# Altium PCB BaseBoard.PcbDoc (part 1 of 2)
Units mil, origin at the board's own origin, x right, y up, seen from the top; angles counter-clockwise.
Board outline 3469.66 x 2455.94 mil, 2 copper layers (Top Layer, Bottom Layer), stack 62.992 mil thick; 120 components, 101 nets, 403 pads, 235 vias.
Unrouted connection lines stored in the file: 1.
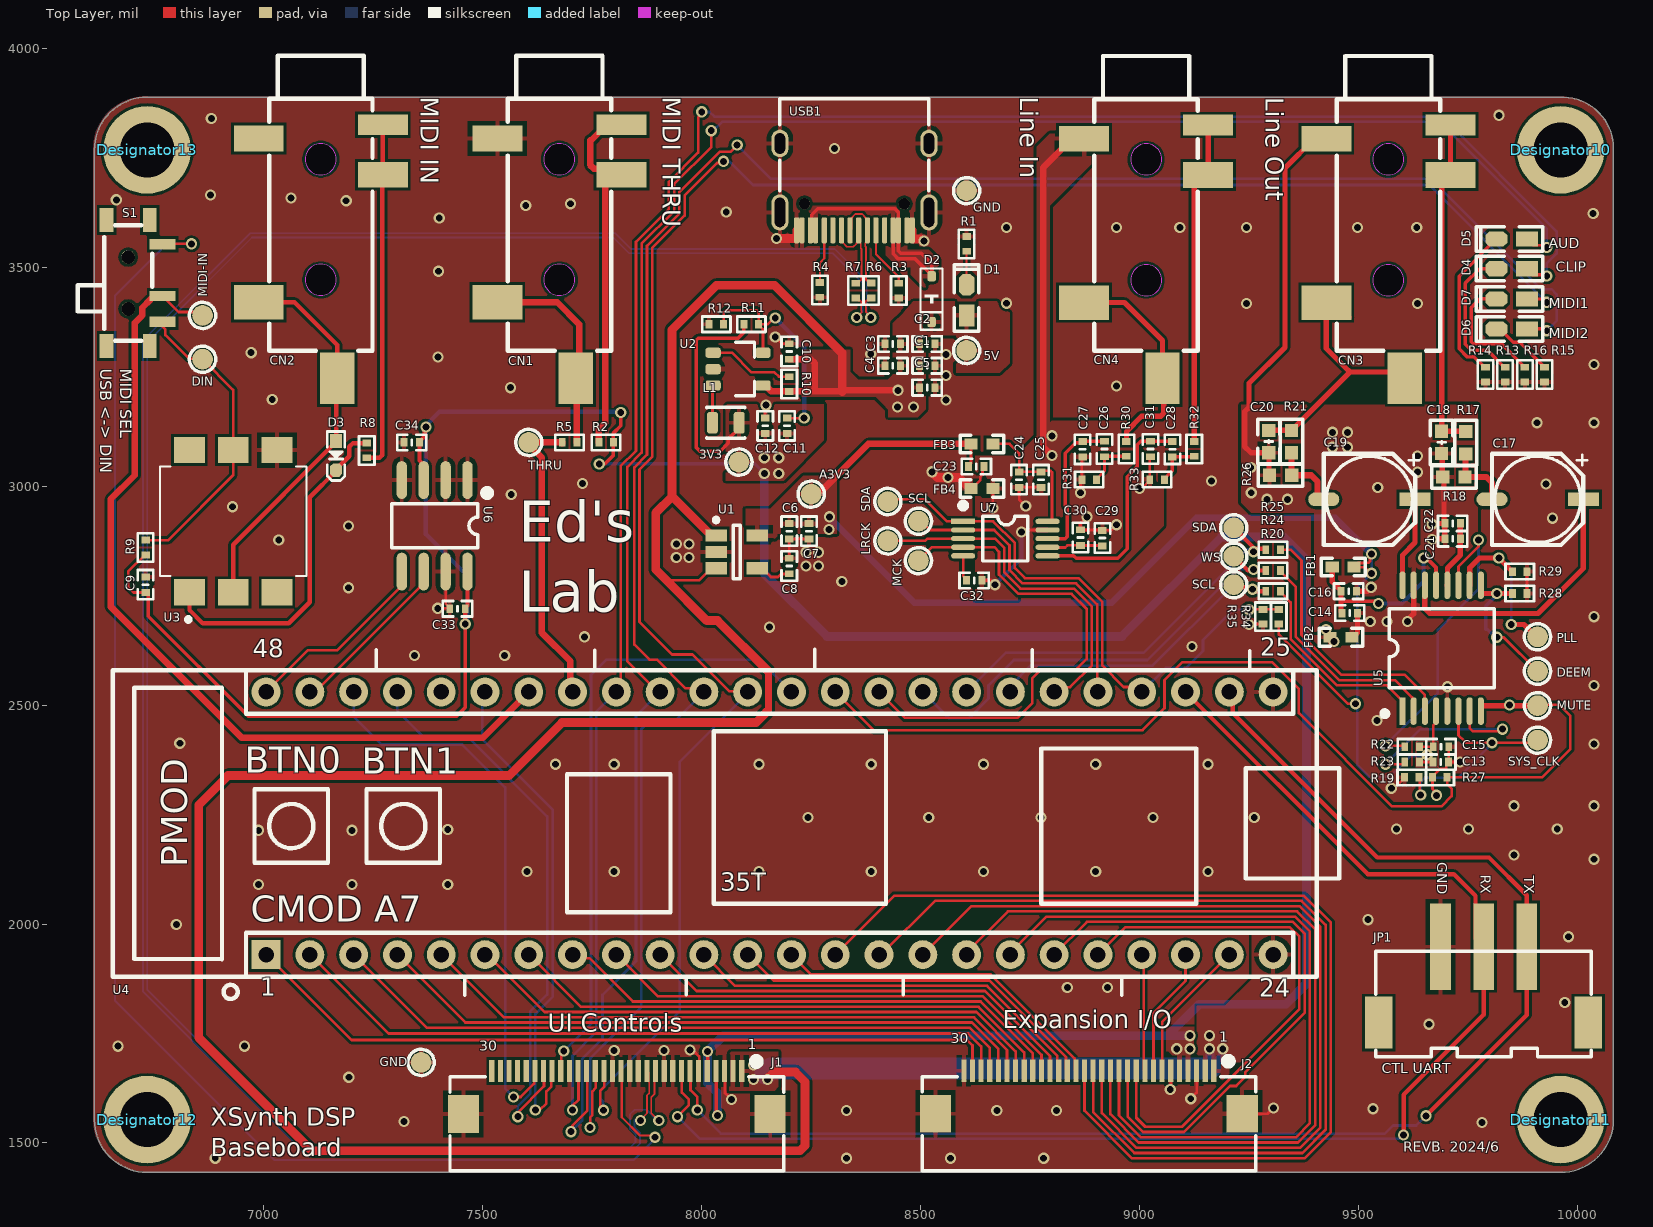
[diagram p0: Top Layer view]
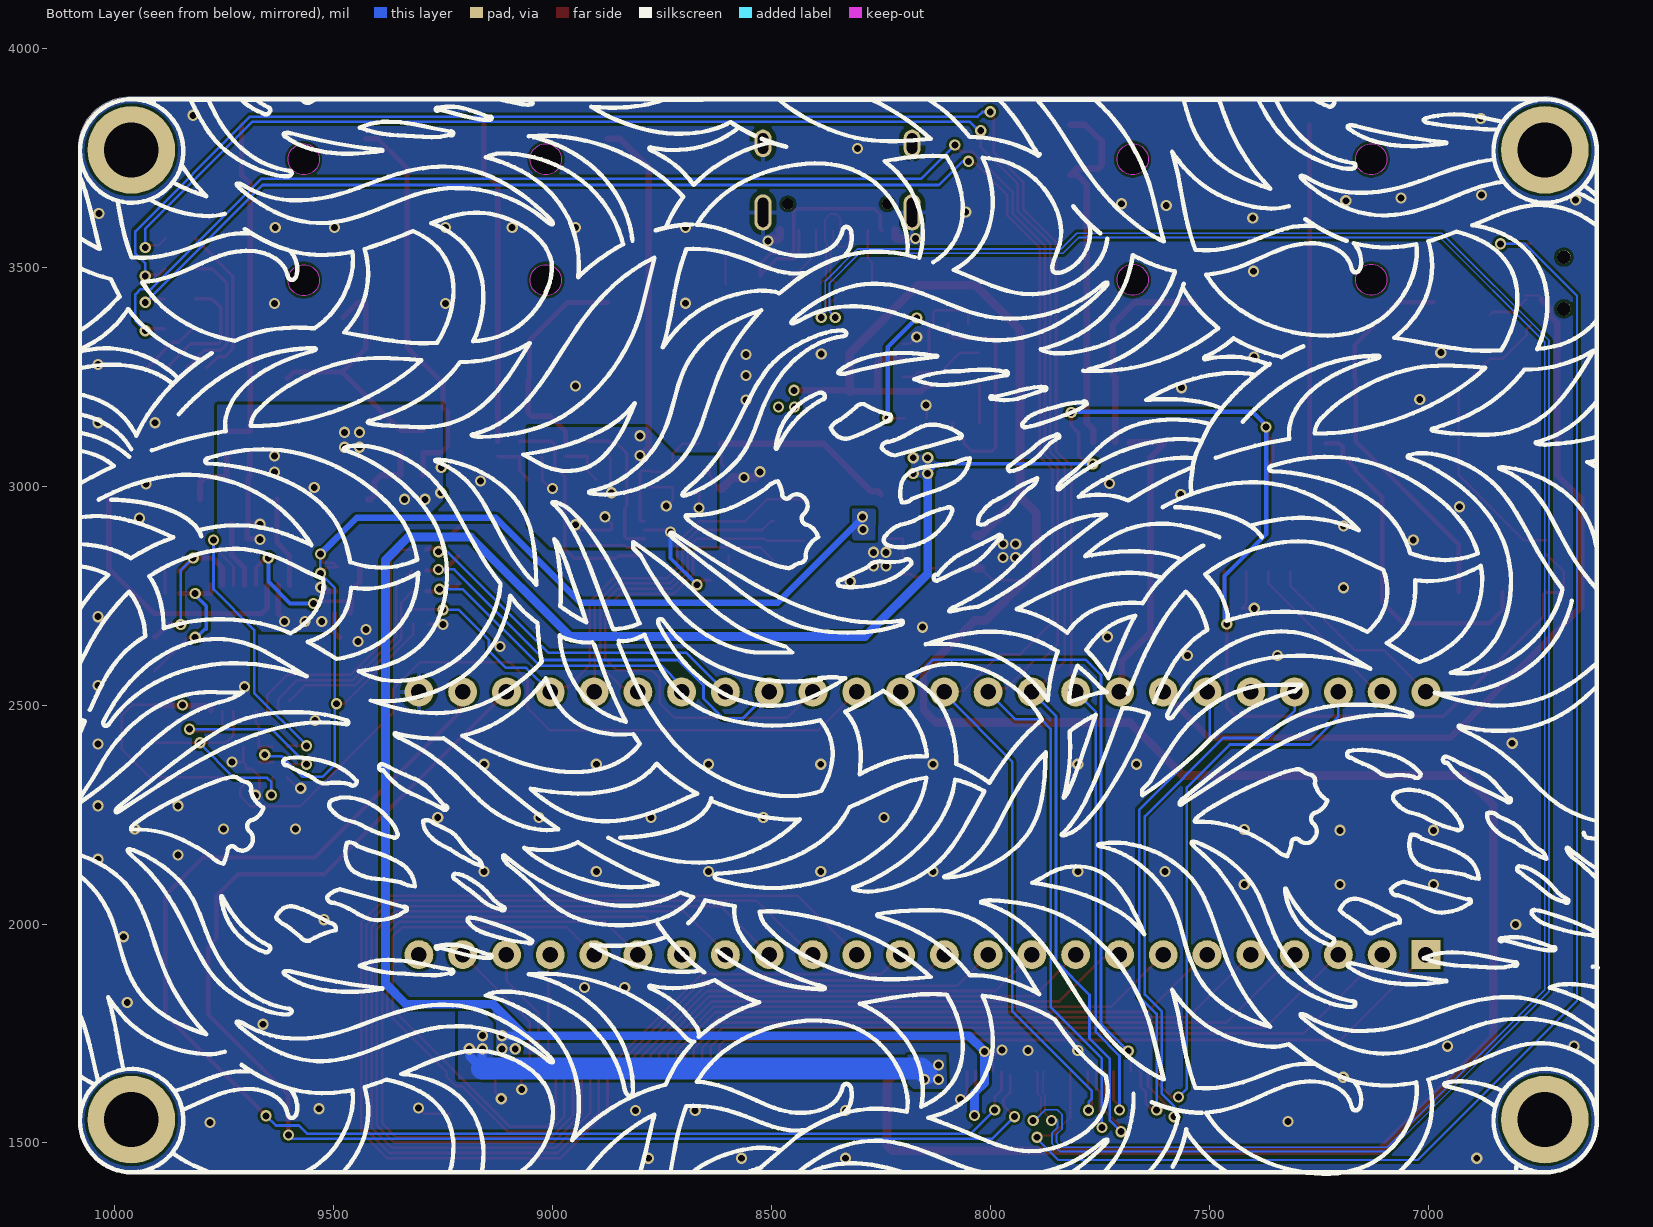
[diagram p1: Bottom Layer view, seen from below]
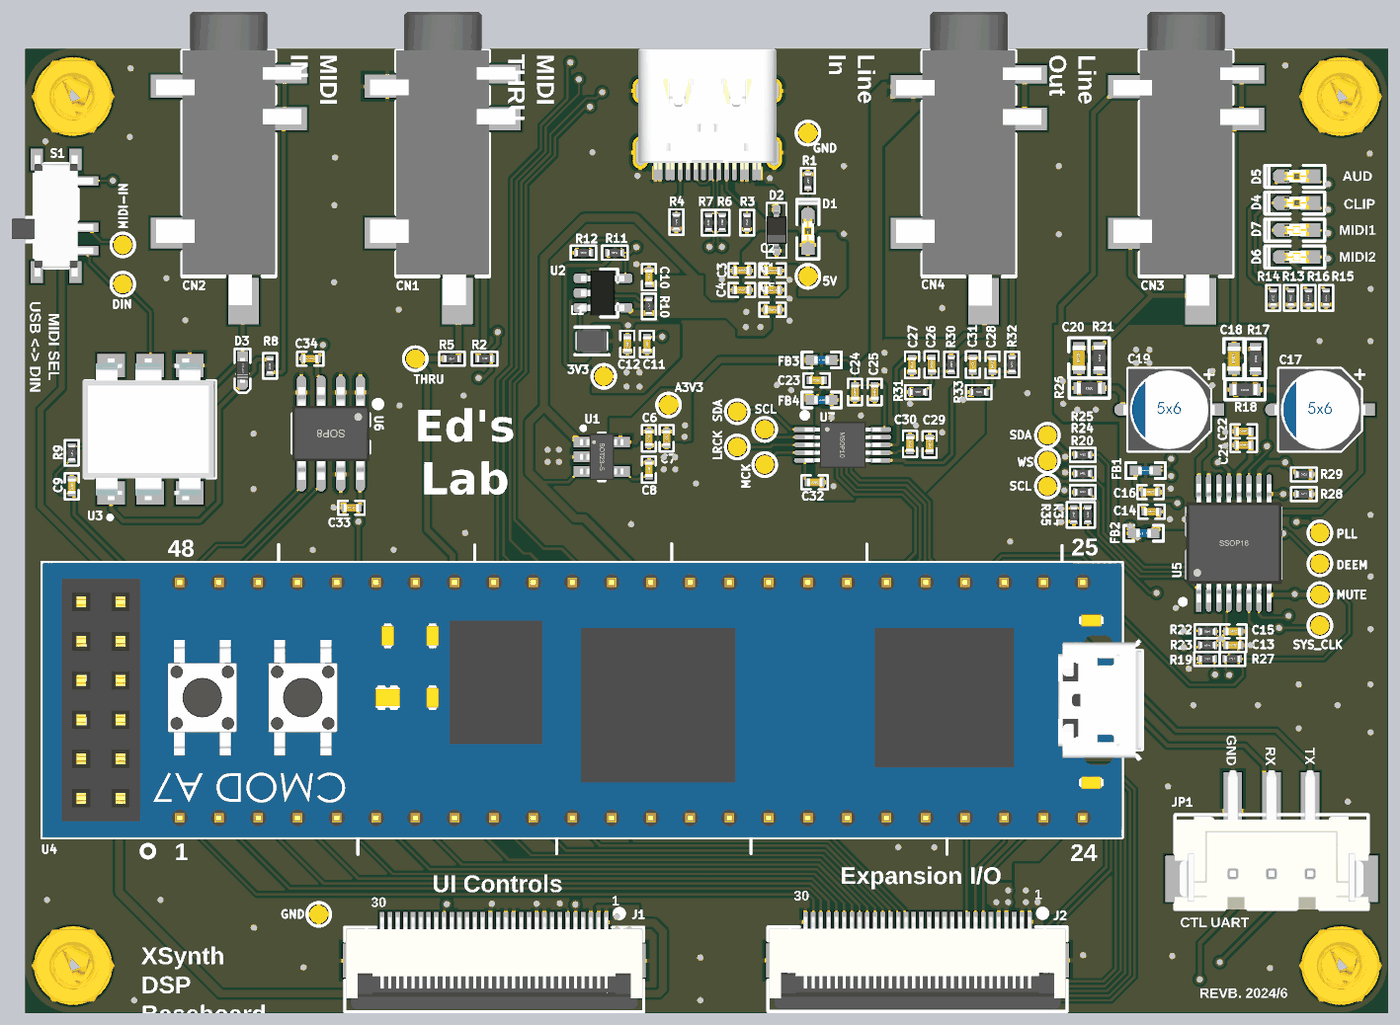
[diagram p3: 3D render of the assembled board from above, using the file's embedded part models]

## Layer stack, top to bottom
Top Solder: solder mask 0.4, Solder Resist, Dk 3.5
Top Layer: signal copper 11.811
Dielectric 1: dielectric 39.3701, FR-4, Dk 4.8
Bottom Layer: signal copper 11.811
Bottom Solder: solder mask 0.4, Solder Resist, Dk 3.5

## Board outline
6612.73,1553.34 ccw(c6733.36,1553.36) 6733.36,1432.73 9961.71,1432.73 ccw(c9961.71,1435.25) 9961.71,1432.73 ccw(c9961.63,1553.44) 10082.33,1553.36 ccw(c10079.82,1553.36) 10082.33,1553.36 10082.33,3768 ccw(c9965.79,3771.87) 10082.4,3771.87 ccw(c9965.79,3771.87) 9969.74,3888.4 ccw(c9965.79,3771.87) 9969.7,3888.4 9969.74,3888.4 ccw(c9969.61,3885.89) 9969.62,3888.41 6733.36,3888.67 ccw(c6733.36,3886.16) 6733.36,3888.67 ccw(c6733.36,3768.05) 6612.73,3768.05 6612.73,1553.36 ccw(c6615.25,1553.36)

## Design rules (kind name [scope] priority, off if disabled: settings)
Clearance Clearance_1 [All] p1: gap=6 ignorepadtopadclearanceinfootprint=FALSE
Clearance Clearance_Logo [InNetClass('Logo')] p2: gap=8 ignorepadtopadclearanceinfootprint=FALSE
ComponentClearance [All] p1: gap=0 collisioncheckmode=3 verticalgap=0 showdistances=FALSE
DiffPairsRouting [InDifferentialPairClass('All Differential Pairs')] p1: maxlimit=9 minlimit=6 mostfreqgap=6 toplayer_minwidth=4 toplayer_maxwidth=4 toplayer_prefwidth=4 bottomlayer_minwidth=4 bottomlayer_maxwidth=4 bottomlayer_prefwidth=4 maxuncoupledlength=500
FanoutControl Fanout_BGA [All] p1: bgadir=Out bgaviamode=Centered fanoutstyle=Auto fanoutdirection=Alternating viagrid=1 // Fanout_BGA (Default Rule)
HoleSize [All] p1: absolutevalues=TRUE maxlimit=10000 minlimit=8 maxpercent=80.000 minpercent=20.000
MinimumSolderMaskSliver [All] p1 off: minsoldermaskwidth=2
PlaneClearance [All] p1: clearance=8
PlaneConnect [All] p1: planeconnectstyle=Direct reliefexpansion=20 reliefentries=4 reliefconductorwidth=10 reliefairgap=10
PolygonConnect Poly-Vias [IsPoly vs isVia] p1: connectstyle=Direct reliefconductorwidth=10 reliefentries=4 polygonreliefangle="90 Angle" airgapwidth=10
PolygonConnect PolygonConnect_1 [All] p2: connectstyle=Relief reliefconductorwidth=10 reliefentries=4 polygonreliefangle="90 Angle" airgapwidth=10
RoutingVias [All] p1: holewidth=8 width=16 viastyle="Through Hole" minholewidth=6 minwidth=12 maxholewidth=28 maxwidth=50
SilkToSilkClearance [All] p1: silktosilkclearance=0
SilkToSolderMaskClearance [IsPad] p1: minsilkscreentomaskgap=0 clearancetoexposedcopper=TRUE
SolderMaskExpansion [All] p1: expansion=3 istentingtop=FALSE
Width Logo [InNetClass('Logo')] p1: maxlimit=100 minlimit=0.1 preferedwidth=10
Width GND [(InNet('AGND') OR InNet('GND') OR InNet('IN_AGND') or InNet('OUT_AGND'))] p2: maxlimit=50 minlimit=4 preferedwidth=10
Width VCC [(InNet('A3V3') OR InNet('5V') OR InNet('D3V3'))] p3: maxlimit=50 minlimit=4 preferedwidth=6
Width [All] p4: maxlimit=10000 minlimit=4 preferedwidth=6
21 further rules are at their usual default settings.

## Classes and differential pairs
component class Sheet1: 3V3 5V A3V3 C1 C2 C3 C4 C5 C6 C7 C8 C9 C10 C11 C12 C13 C14 C15 C16 C17 C18 C19 C20 C21 C22 C23 C24 C25 C26 C27 C28 C29 C30 C31 C32 C33 C34 CN1 CN2 CN3 CN4 D1 D2 D3 D4 D5 D6 D7 DEEM DIN FB1 FB2 FB3 FB4 G J1 JP1 L1 LRCK MCK MIDI-IN MUTE PLL R1 R2 R3 R4 R5 R6 R7 R8 R9 R10 R11 R12 R13 R14 R15 R16 R17 R18 R19 R20 R21 R22 R23 R24 R25 R26 R27 R28 R29 R30 R31 R32 R33 S1 SCL SDA SYS_CLK THRU U1 U2 U3 U4 U5 U6 U7 USB1 WS
differential pair USB_IN_D: +USB_IN_D_P -USB_IN_D_N
differential pair USB_D: +USB_D_P -USB_D_N

## Components (designator, comment, footprint, x,y, rotation, side; value= is the part's Value field where it differs from the comment)
3V3 "DIN_MIDI_IN" "TEST 1.2" 8085,3055 r90 top (schematic designator TP10)
5V "DIN_MIDI_IN" "TEST 1.2" 8605,3310 r180 top (schematic designator TP5)
A3V3 "DIN_MIDI_IN" "TEST 1.2" 8250,2982 r180 top (schematic designator TP7)
C1 "10uF" C0402_L 8515,3275 r180 top value=0.1u
C2 "10uF" C0402_L 8515,3325 r180 top value=0.1u
C3 "10uF" C0402_L 8436.54,3325 r0 top value=0.1u
C4 "10uF" C0402_L 8436.54,3275 r0 top value=0.1u
C5 "10uF" C0402_L 8515,3225 r180 top value=0.1u
C6 "100nF" C0402_L 8200,2897.29 r90 top value=0.1u
C7 "10uF" C0402_L 8245,2897.29 r90 top value=0.1u
C8 "10nF" C0402_L 8200,2817.71 r270 top value=0.1u
C9 "100nF" C0402_L 6730,2775 r270 top value=0.1u
C10 "10uF" C0402_L 8200,3307.71 r270 top value=0.1u
C11 "22pF" C0402_L 8195,3137.71 r270 top value=0.1u
C12 "10uF" C0402_L 8145,3137.71 r270 top value=0.1u
C13 "10uF" C0402_L 9688.04,2370 r0 top value=0.1u
C14 "10uF" C0402_L 9480,2710 r0 top value=0.1u
C15 "100nF" C0402_L 9688.47,2405 r0 top value=0.1u
C16 "100nF" C0402_L 9477.54,2760 r0 top value=0.1u
C17 "47uF" "CT 5*6 - B" 9909.33,2970 r0 top value=100pF
C18 "0.01uF" C0603_L 9690,3100 r90 top value=0.1u
C19 "47uF" "CT 5*6 - B" 9525,2970 r0 top value=100pF
C20 "0.01uF" C0603_L 9295,3102 r90 top value=0.1u
C21 "100nF" C0402_L 9715,2880 r0 top value=0.1u
C22 "10uF" C0402_L 9715,2915 r0 top value=0.1u
C23 "100nF" C0402_L 8627.28,3045 r180 top value=0.1u
C24 "10uF" C0402_L 8725,3015 r90 top value=0.1u
C25 "100nF" C0402_L 8775,3015 r90 top value=0.1u
C26 "1uF" C0402_L 8920,3085 r90 top value=0.1u
C27 "180pF" C0402_L 8870,3084.26 r90 top value=0.1u
C28 "1uF" C0402_L 9075,3084.26 r90 top value=0.1u
C29 "100nF" C0402_L 8915,2881.54 r270 top value=0.1u
C30 "1uF" C0402_L 8865,2882.71 r270 top value=0.1u
C31 "180pF" C0402_L 9025,3085 r90 top value=0.1u
C32 "10uF" C0402_L 8622.28,2785 r180 top value=0.1u
C33 "100nF" C0402_L 7442.29,2720 r0 top value=0.1u
C34 "10uF" C0402_L 7337.72,3100 r0 top value=0.1u
CN1 "PJ-328-5A" AUDIO-SMD_PJ-328-5A 7675,3536.14 r0 top locked
CN2 "PJ-328-5A" AUDIO-SMD_PJ-328-5A 7130,3536.14 r0 top locked
CN3 "PJ-328-5A" AUDIO-SMD_PJ-328-5A 9568.27,3535.63 r0 top locked
CN4 "PJ-328-5A" AUDIO-SMD_PJ-328-5A 9015,3535.63 r0 top locked
D1 "color?" LED0603_R 8605.26,3425 r90 top
D2 "二极管-5B5819WS" SOD-323 8525,3427.34 r270 top
D3 "Diode" SOD-523 7165,3070 r270 top
D4 "color?" LED0603_R 9850,3497.03 r180 top
D5 "color?" LED0603_G 9850,3565 r180 top
D6 "color?" LED0603_W 9850,3359.45 r180 top
D7 "color?" LED0603_W 9850,3427.85 r180 top
DEEM "DIN_MIDI_IN" "TEST 1.2" 9909,2577.39 r90 top (schematic designator TP20)
Designator10 "Comment" M3 9961.71,3768.05 r0 top
Designator11 "Comment" M3 9961.71,1553.36 r0 top
Designator12 "Comment" M3 6733.36,1553.36 r0 top
Designator13 "Comment" M3 6733.36,3768.05 r0 top
DIN "DIN_MIDI_IN" "TEST 1.2" 6860,3290 r0 top (schematic designator TP1)
FB1 "Ferrite" L0402 9465,2815 r0 top
FB2 "Ferrite" L0402 9460,2655 r180 top
FB3 "Ferrite" L0402 8640,3096.72 r0 top
FB4 "Ferrite" L0402 8640,2995 r0 top
GND "TEST TP" "TEST 1.2" 7359,1684 r180 top (schematic designator TP4)
GND "TEST TP" "TEST 1.2" 8605,3675 r180 top (schematic designator TP3)
J1 "FPC-30P-0.5mm" FPC0.5-WT-30P 7806,1566 r180 top
J2 "FPC-30P-0.5mm" FPC0.5-WT-30P 8884.17,1566.69 r180 top
JP1 "HDR-1X3" XH2.54-LS-3P 9785.79,1815 r180 top
L1 "2.2uH" IND-201612 8055,3145 r0 top
LRCK "DIN_MIDI_IN" "TEST 1.2" 8425,2875 r90 top (schematic designator TP25)
MCK "DIN_MIDI_IN" "TEST 1.2" 8495,2830 r180 top (schematic designator TP26)
MIDI-IN "MIDI_IN" "TEST 1.2" 6860,3390 r90 top (schematic designator TP2)
MUTE "DIN_MIDI_IN" "TEST 1.2" 9909,2498.69 r90 top (schematic designator TP19)
PLL "DIN_MIDI_IN" "TEST 1.2" 9909,2656.08 r90 top (schematic designator TP21)
R1 "2K" R0402_L 8605,3553.27 r270 top value=22R
R2 "220" R0402_L 7781.73,3100 r0 top value=22R
R3 "5.1K" R0402_L 8450,3446.73 r270 top value=22R
R4 "5.1K" R0402_L 8270,3448.27 r270 top value=22R
R5 "220" R0402_L 7698.27,3100 r180 top value=22R
R6 "22R" R0402_L 8387,3447 r90 top
R7 "22R" R0402_L 8352,3446.73 r90 top
R8 "220" R0402_L 7235,3081.73 r90 top value=22R
R9 "470" R0402_L 6730,2860 r270 top value=22R
R10 "5.1K" R0402_L 8200,3233.27 r90 top value=22R
R11 "680K" R0402_L 8113.27,3370 r0 top value=22R
R12 "150K" R0402_L 8033.27,3370 r180 top value=22R
R13 "330" R0402_L 9835,3255 r90 top value=22R
R14 "330" R0402_L 9790,3255 r90 top value=22R
R15 "330" R0402_L 9925,3255 r90 top value=22R
R16 "330" R0402_L 9880,3255 r90 top value=22R
R17 "100" R0603_L 9745,3099.41 r270 top value=22R
R18 "220K" R0603_L 9718,3021 r180 top value=22R
R19 "10K" R0402_L 9621.73,2335 r180 top value=22R
R20 "0" R0402_L 9305,2760 r0 top value=22R
R21 "100" R0603_L 9347,3102 r270 top value=22R
R22 "10K" R0402_L 9622.48,2405 r180 top value=22R
R23 "10K" R0402_L 9622.48,2370 r180 top value=22R
R24 "0" R0402_L 9305,2807.5 r0 top value=22R
R25 "0" R0402_L 9305,2855 r0 top value=22R
R26 "220K" R0603_L 9322,3025 r180 top value=22R
R27 "10K" R0402_L 9685.75,2335 r180 top value=22R
R28 "10K" R0402_L 9868.27,2755 r0 top value=22R
R29 "10K" R0402_L 9868.27,2805 r0 top value=22R
R30 "5.1K" R0402_L 8970,3085.24 r270 top value=22R
R31 "5.1K" R0402_L 8885,3015 r180 top value=22R
R32 "5.1K" R0402_L 9125,3085.24 r90 top value=22R
R33 "5.1K" R0402_L 9040,3015 r180 top value=22R
R34 "10K" R0402_L 9318,2702 r90 top net-tie value=22R
R35 "10K" R0402_L 9282,2702 r90 top net-tie value=22R
S1 "SS-12F23" MSK-12C01-07 6690,3464.05 r270 top
SCL "DIN_MIDI_IN" "TEST 1.2" 8495,2920 r180 top (schematic designator TP24)
SCL "DIN_MIDI_IN" "TEST 1.2" 9215,2775 r90 top (schematic designator TP15)
SDA "DIN_MIDI_IN" "TEST 1.2" 8425,2965 r180 top (schematic designator TP23)
SDA "DIN_MIDI_IN" "TEST 1.2" 9215,2905 r90 top (schematic designator TP18)
SYS_CLK "DIN_MIDI_IN" "TEST 1.2" 9909,2420 r90 top (schematic designator TP14)
THRU "DIN_MIDI_IN" "TEST 1.2" 7605,3100 r90 top (schematic designator TP6)
U1 "LP2992" SOT23-5M 8080,2850 r0 top
U2 "SY8088" SOT23-5 8085.06,3267.4 r0 top
U3 "4N36" OPTOCOUPLER_H11F3SR2M 6930,2920 r90 top
U4 "CMOD-A7-35T" DIP48 7005,1930 r90 top
U5 "UDA1334ATS" SSOP16 9690,2630 r90 top
U6 "24LC1025" SOIC-8 7390,2909.49 r270 top
U7 "CS5343-CZZ" MSOP10_M 8693.54,2880.31 r270 top
USB1 "Type-C" Type-C-TOP 8348.78,3683.58 r90 top locked
WS "DIN_MIDI_IN" "TEST 1.2" 9215,2840 r90 top (schematic designator TP17)

## Footprints (in the part's own frame and the unit in brackets; to place one, negate y for a bottom-side part, rotate by r counter-clockwise, add the part's x,y. Pads: shape width x height; smd on the part's side, far side on the other; paste and mask are expansions set on the pad)
AUDIO-SMD_PJ-328-5A [mm]
  rect 2.9x1.2 smd paste+0 mask+0.051: 3(3.6,7.35)
  rect 2.9x1.5 smd paste+0 mask+0.051: 4(-3.6,6.55) 7(3.6,4.45)
  rect 2.9x2 smd paste+0 mask+0.051: 5(-3.6,-2.95)
  rect 2x3 smd paste+0 mask+0.051: 6(0.95,-7.35)
  Keep-Out Layer board cut-out: 0.9,5.35 0.9,5.468 0.839,5.697 0.72,5.903 0.553,6.07 0.347,6.189 0.119,6.25 -0.118,6.25 -0.347,6.189 -0.553,6.07 -0.72,5.903 -0.839,5.698 -0.9,5.469 -0.9,5.35 -0.9,5.232 -0.839,5.003 -0.72,4.797 -0.553,4.63 -0.348,4.511 -0.119,4.45 0.118,4.45 0.347,4.511 0.553,4.63 0.72,4.797 0.839,5.003 0.9,5.232 0.9,5.35 0.9,5.35
  Keep-Out Layer board cut-out: 0.9,-1.65 0.9,-1.531 0.839,-1.303 0.72,-1.097 0.553,-0.93 0.347,-0.811 0.119,-0.75 -0.118,-0.75 -0.347,-0.811 -0.553,-0.93 -0.72,-1.097 -0.839,-1.302 -0.9,-1.531 -0.9,-1.65 -0.9,-1.768 -0.839,-1.997 -0.72,-2.203 -0.553,-2.37 -0.348,-2.489 -0.119,-2.55 0.118,-2.55 0.347,-2.489 0.553,-2.37 0.72,-2.203 0.839,-1.997 0.9,-1.768 0.9,-1.65 0.9,-1.65
  silkscreen extent -3,-5.75 3,11.35, body extent -4.7,-7.62 4.7,11.38, height 5.1
C0402_L [mm] "ÎÞ¼«ÐÔÌùÆ¬µçÈÝ"
  rect 0.4x0.5 smd: 1(-0.45,0) 2(0.45,0)
  silkscreen extent -0.85,-0.45 0.85,0.45, body extent -0.5,-0.26 0.5,0.26, height 0.54
C0603_L [mil] "ÎÞ¼«ÐÔÌùÆ¬µçÈÝ"
  rect 30x30 smd: 1(-25.59,0) 2(25.59,0)
  silkscreen extent -51,-26 51,26, body extent -31,-16 32,16, height 33
"CT 5*6 - B" [mm] "Ö±¾¶5mm£¬¸ß6mm"
  rect 1.8x0.8 smd: 1(2.65,0)
  oval 1.8x0.8 smd: 2(-2.65,0)
  silkscreen extent -2.65,-2.65 2.88,2.65, body extent -2.95,-2.65 2.95,2.65, height 6.05
DIP48 [mil]
  rect 66x66 hole 35.43: 1(0,0)
  round 66 hole 35.43: 2(0,-100) 3(0,-200) 4(0,-300) 5(0,-400) 6(0,-500) 7(0,-600) 8(0,-700) 9(0,-800) 10(0,-900) 11(0,-1000) 12(0,-1100) 13(0,-1200) 14(0,-1300) 15(0,-1400) 16(0,-1500) 17(0,-1600) 18(0,-1700) 19(0,-1800) 20(0,-1900) 21(0,-2000) 22(0,-2100) 23(0,-2200) 24(0,-2300) 25(600,-2300) 26(600,-2200) 27(600,-2100) 28(600,-2000) 29(600,-1900) 30(600,-1800) 31(600,-1700) 32(600,-1600) 33(600,-1500) 34(600,-1400) 35(600,-1300) 36(600,-1200) 37(600,-1100) 38(600,-1000) 39(600,-900) 40(600,-800) 41(600,-700) 42(600,-600) 43(600,-500) 44(600,-400) 45(600,-300) 46(600,-200) 47(600,-100) 48(600,0)
  silkscreen extent -50,-2451 650,350, body extent -50,-2451 650,350, height 491
FPC0.5-WT-30P [mm] "³¤£º19.2mm£¬¿í£º5.2mm£¬¸ß£º2mm               »Æ¾§±¦Ê¯"
  rect 1.8x2.2 smd: 0(-8.9,0) 0(8.9,0)
  rect 0.3x1.3 smd: 1(-7.25,-2.497) 2(-6.75,-2.497) 3(-6.25,-2.497) 4(-5.75,-2.497) 5(-5.25,-2.497) 6(-4.75,-2.497) 7(-4.25,-2.497) 8(-3.75,-2.497) 9(-3.25,-2.497) 10(-2.75,-2.497) 11(-2.25,-2.497) 12(-1.75,-2.497) 13(-1.25,-2.497) 14(-0.75,-2.497) 15(-0.25,-2.497) 16(0.25,-2.497) 17(0.75,-2.497) 18(1.25,-2.497) 19(1.75,-2.497) 20(2.25,-2.497) 21(2.75,-2.497) 22(3.25,-2.497) 23(3.75,-2.497) 24(4.25,-2.497) 25(4.75,-2.497) 26(5.25,-2.497) 27(5.75,-2.497) 28(6.25,-2.497) 29(6.75,-2.497) 30(7.25,-2.497)
  silkscreen extent -9.68,-3.23 9.68,3.3, body extent -9.6,-2.85 9.6,3.15, height 2
IND-201612 [mil]
  rrect50% 25x50 smd paste+0 mask+0: 1(-30.46,0) 2(30.46,0)
  silkscreen extent -43,-35 43,35, body extent -39,-31 39,31, height 37
L0402 [mil] "Ð¡¹¦ÂÊÌùÆ¬µç¸Ð"
  rect 30x25 smd: 1(-25,0) 2(25,0)
  silkscreen extent -50,-20 50,20, body extent -20,-10 20,10, height 20
LED0603_G [mil] "ÂÌÉ«0603LED"
  rect 50x35 smd: 1(-35,0.26)
  oct 50x35 smd: 2(35,0.26)
  silkscreen extent -71,-28 81,28, body extent -32,-16 31,16, height 18
LED0603_R [mil] "ºìÉ«0603LED"
  rect 50x35 smd: 1(-35,0.26)
  oct 50x35 smd: 2(35,0.26)
  silkscreen extent -71,-28 81,28, body extent -32,-16 31,16, height 18
LED0603_W [mil] "°×É«0603LED"
  rect 50x35 smd: 1(-35,0.26)
  oct 50x35 smd: 2(35,0.26)
  silkscreen extent -71,-28 81,28, body extent -31,-16 31,16, height 18
M3 [mil]
  round 200 hole 125: 1(0,0)
  body extent -106,-93 106,93, height 396
MSK-12C01-07 [mm] "6.7*2.8*1.5mm(³¤¿í¸ß£©                     ÌÔ±¦ID:»Æ¾§±¦Ê¯"
  rect 1.4x0.8 smd: 0(-3.65,-1.25) 0(-3.65,1.25) 0(3.65,-1.25) 0(3.65,1.25)
  rect 0.6x1.5 smd: 1(-2.25,1.996) 2(0.75,1.996) 3(2.25,1.996)
  round 0.8 hole 0.8: " "(-1.5,0) " "(1.5,0)
  silkscreen extent -3.35,-2.92 3.35,1.4, body extent -3.92,-2.9 3.92,2.4, height 1.5
MSOP10_M [mm] "ËÜ·âÌå³¤3mm£¬¿í3mm£¬½Å¾à0.5mm      ÌÔ±¦ID:»Æ¾§±¦Ê¯"
  rect 0.305x1.4 smd: 1(-1,-2.45)
  oval 0.305x1.4 smd: 2(-0.5,-2.45) 3(0,-2.45) 4(0.5,-2.45) 5(1,-2.45) 6(1,2.45) 7(0.5,2.45) 8(0,2.45) 9(-0.5,2.45) 10(-1,2.45)
  silkscreen extent -2.07,-2.6 1.3,1.3, body extent -1.5,-2.45 1.5,2.45, height 0.95
OPTOCOUPLER_H11F3SR2M [mm]
  rect 1.52x1.78 smd: 1(-4.125,2.54) 2(-4.125,0) 3(-4.125,-2.54) 4(4.125,-2.54) 5(4.125,0) 6(4.125,2.54)
  silkscreen extent -5.8,-4.26 3.18,4.26, body extent -4.58,-4.13 4.58,4.38, height 4.99
R0402_L [mm] "1/16WÌùÆ¬µç×è"
  rect 0.4x0.5 smd: 1(-0.425,0) 2(0.425,0)
  silkscreen extent -0.82,-0.45 0.82,0.45, body extent -0.5,-0.25 0.5,0.25, height 0.3
R0603_L [mil] "1/10WÌùÆ¬µç×è"
  rect 30x30 smd: 1(-25.59,0) 2(25.59,0)
  silkscreen extent -51,-26 51,26, body extent -31,-16 32,16, height 16
SOD-323 [mm]
  rrect50% 0.6x0.5 smd: 1(-1.329,0) 2(1.329,0)
  silkscreen extent -1.78,-0.64 1.78,0.64, body extent -1.3,-0.68 1.3,0.67, height 1.15
SOD-523 [mm] "1.2x0.8X0.6mm£¨³¤¿í¸ß£¬²»°üÀ¨Òý½Å£©"
  rect 0.8x0.7 smd: 1(-0.85,0)
  oct 0.8x0.7 smd: 2(0.85,0)
  silkscreen extent -1.4,-0.51 1.45,0.51, body extent -0.8,-0.4 0.8,0.4, height 0.65
SOIC-8 [mm] "·â×°¿âÀ´×ÔÌÔ±¦Âô¼Ò ID£º»Æ¾§±¦Ê¯"
  oval 2.2x0.6 smd: 1(-2.654,1.905) 2(-2.654,0.635) 3(-2.654,-0.635) 4(-2.654,-1.905) 5(2.654,-1.905) 6(2.654,-0.635) 7(2.654,0.635) 8(2.654,1.905)
  silkscreen extent -2.06,-2.5 1.27,3.2, body extent -3,-2.5 3,2.5, height 1.9
SOT23-5 [mm]
  rrect50% 0.889x0.6 smd: 1(-1.5,0.95) 2(-1.5,0) 3(-1.5,-0.95) 4(1.396,-0.95) 5(1.396,0.95)
  silkscreen extent -0.2,-1.55 0.9,1.55, body extent -1.48,-1.45 1.32,1.45, height 1.2
SOT23-5M [mm] "SOT23, 5-Leads, Body 2.9x1.6mm, Pitch 0.95mm, IPC Low Density"
  rect 1.25x0.7 smd: 1(-1.2,0.95) 2(-1.2,0) 3(-1.2,-0.95) 4(1.2,-0.95) 5(1.2,0.95)
  silkscreen extent -1.32,-1.55 0.2,1.97, body extent -1.4,-1.5 1.4,1.5, height 1.15
SSOP16 [mm] "6.3*7.7*1.6mm"
  rect 1.6x0.35 smd: 1(-3.65,2.275)
  oval 1.6x0.35 smd: 2(-3.65,1.625) 3(-3.65,0.975) 4(-3.65,0.325) 5(-3.65,-0.325) 6(-3.65,-0.975) 7(-3.65,-1.625) 8(-3.65,-2.275) 9(3.65,-2.275) 10(3.65,-1.625) 11(3.65,-0.975) 12(3.65,-0.325) 13(3.65,0.325) 14(3.65,0.975) 15(3.65,1.625) 16(3.65,2.275)
  silkscreen extent -3.93,-3.05 2.29,3.43, body extent -3.85,-3.1 3.85,3.1, height 1.65
"TEST 1.2" [mm] "²âÊÔµã1.2mm"
  round 1.2 smd paste-1.2: 1(0,0)
  silkscreen extent -0.76,-0.76 0.76,0.76
Type-C-TOP [mm]
  round 0.65 hole 0.65: 0(-0.98,2.89) 0(-0.98,-2.89)
  oval 1.6x1 hole 0.6 slot 1.2 at 0 deg: 1(2.52,4.325) 2(2.52,-4.325)
  oval 2.1x1 hole 0.6 slot 1.7 at 0 deg: 3(-1.48,-4.325) 4(-1.48,4.325)
  rrect50% 1.5x0.3 smd: A1(-2.52,-3.35) A4(-2.52,-2.55) A5(-2.52,-1.25) A6(-2.52,-0.25) A7(-2.52,0.25) A8(-2.52,1.25) A9(-2.52,2.55) A12(-2.52,3.35) B1(-2.52,3.05) B4(-2.52,2.25) B5(-2.52,1.75) B6(-2.52,0.75) B7(-2.52,-0.75) B8(-2.52,-1.75) B9(-2.52,-2.25) B12(-2.52,-3.05)
  silkscreen extent -0.22,-4.33 5.12,4.32, body extent -2.57,-4.48 5.18,4.48, height 3.26
XH2.54-LS-3P [mm] "³¤£º12.5mm£¬¿í£º6mm£¬¸ß£º8.3mm   ÌÔ±¦ID:»Æ¾§±¦Ê¯   µêÆÌÍøÖ·:https://shop463601444.taobao.com"
  rect 1.6x3 smd: 0(-6.076,1.016) 0(6.076,1.016)
  rect 1.2x5 smd: 1(-2.5,-3.383) 2(0,-3.383) 3(2.5,-3.383)
  silkscreen extent -6.25,-3.13 6.25,3, body extent -6.25,-6 6.25,3, height 8

## Part data
3V3 5V A3V3 DEEM DIN LRCK MCK MIDI-IN MUTE PLL SCL SCL SDA SDA SYS_CLK THRU WS: library part "TEST TP", "测试环", BOM名称=测试环, 封装库来自淘宝卖家ID：黄晶宝石=其他店铺购入均为盗版假冒封装库，请立即申请退款, 联系卖家，免费查找封装=唯一出售店铺网址https://shop463601444.taobao.com
C1 C2 C3 C4 C5: library part 电容-1206, "Capacitor"
C6 C7 C8 C9 C10 C11 C12 C13 C14 C15 C16 C18 C20 C21 C22 C23 C24 C25 C26 C27 C28 C29 C30 C31 C32 C33 C34: library part 电容-0402, "Capacitor"
C17 C19: library part "Cap Pol1", "Polarized Capacitor SMT", LatestRevisionDate=17-Jul-2002, LatestRevisionNote="Re-released for DXP Platform.", PackageDescription="Polarized Capacitor (Radial); 2 Leads", PackageReference=RB7.6-15, Published=8-Jun-2000, Publisher="Altium Limited"
CN1 CN2 CN3 CN4: Current Rating (Max)=500mA, JLCPCB Part Class="Extended Part", LCSC Part Name=3.5mm耳机座, manufacturer=韩国韩荣, Operating Temperature Range=-20℃~+70℃, Voltage Rating (Max)=30V, Add into BOM=yes, Connector Type=3.5mm耳机座, Convert to PCB=yes, Datasheet=https://atta.szlcsc.com/upload/public/pdf/source/20210810/0B771907E8D6964D4FE913522096DF4A.pdf, Device=PJ-328-5A, Manufacturer Part=PJ-328-5A, Supplier=LCSC, Supplier Footprint=SMD, Supplier Part=C707231, Symbol=PJ-328-5A
D1 D4 D5 D6 D7: library part LED_0402, "LED", Type=0402
D2: library part 二极管-5B5817WS, "40V"
D3: "1N1418", Code_JEDEC=DO-214-AB, 联系卖家，免费查找封装=唯一出售店铺网址https://shop463601444.taobao.com
FB1 FB2 FB3 FB4 L1: library part 电感-201612
GND GND: "测试环", BOM名称=测试环, 封装库来自淘宝卖家ID：黄晶宝石=其他店铺购入均为盗版假冒封装库，请立即申请退款, 联系卖家，免费查找封装=唯一出售店铺网址https://shop463601444.taobao.com
JP1: library part "Header 3", "3P接插件", BOM名称=3P接插件, 封装库来自淘宝卖家 ID：黄晶宝石=其他店铺购入均为盗版假冒封装库, 联系卖家，免费查找封装=唯一出售店铺网址https://shop463601444.taobao.com
R1 R2 R3 R4 R5 R6 R7 R8 R9 R10 R11 R12 R13 R14 R15 R16 R17 R18 R19 R20 R21 R22 R23 R24 R25 R26 R27 R28 R29 R30 R31 R32 R33 R34 R35: library part 电阻-0402, "Resistor"
  R11: Parameter 1=1%
S1: library part SSW-1P, "1路波动开关", BOM名称=波动开关, 封装库来自淘宝卖家ID：黄晶宝石=其他店铺购入均为盗版假冒封装库，请立即申请退款, 联系卖家，免费查找封装=唯一出售店铺网址https://shop463601444.taobao.com
U2: "SY8088 High Efficiency 1.5MHz, 1A   / Synchronous Step Down Regulator"
U3: "4N36 / 6-Pin General Purpose Phototransistor Optocouplers"
U4: "Digilent CMOD A7 35T"
U6: "24LC1025 EEPROM"
U7: "98dB 96kHz Multi-Bit Audio ADC"
USB1: library part USB-Type-C-TOP

## Via types
v1: diameter 25.59, hole 15.75, Top Layer to Bottom Layer, tented both sides, 235 vias

## Nets (pads, with @x,y where several pads share a name; then routed paths per layer and width w, separated by ;. In a path a pad name is that pad's centre, name@x,y a point inside that pad or via, vN(x,y) a via of type N, cw(c..) or ccw(c..) an arc to the next point about the centre after c; other vN are vias at no path point)
5V: 5V.1 C1.2 C2.2 C3.2 C4.2 C5.2 C10.2 D1.1 D2.2 J1.1 J1.2 J2.1 J2.2 R10.1 U1.1 U1.3 U2.4 U4.24 | length 7081.1
  Top Layer w6: 7919.72,2785 7994.33,2785 U1.3@8021.93,2812.6
  Top Layer w15: U2.4@8140,3230 8145.69,3230 8159.15,3216.54 R10.1@8200,3216.54 8258,3216.54 ; C10.2@8200,3290 8249.21,3290 8258,3281.21 8258,3216.54 ; v1(8448,3219) 8323.46,3219 8321,3216.54 8258,3216.54
  Top Layer w16: 8148,2484 8152,2488 8152,2577
  Top Layer w20: U1.3@8021.93,2812.6 U1.3@8032.76,2812.6 ; U1.1@8032.76,2887.4 8021.93,2887.4 7933.12,2976.21 7932.21,2976.21 ; 8148,2484 8124,2460 7681,2460 7560,2339 6918,2339 6851,2272 6851,1740 7109,1482 8224.28,1482 8236,1493.72 8236,1640 8214,1662 8165.72,1662 8150,1646.28 v1(8150,1645) ; 8152,2577 8036,2693 8011.72,2693 7919.72,2785 7895,2809.72 7895,2939 7932.21,2976.21 ; 8321,3216.54 8321,3303.96 8166.28,3458.68 8033.68,3458.68 7932.21,3357.21 7932.21,2976.21
  Bottom Layer w20: v1(9160,1715) 9161.07,1713.93 9161.07,1670.07 9188.93,1697.93 9188.93,1713.93 v1(9190,1715)
  Bottom Layer w50: 8146,1658 8158.07,1670.07 9161.07,1670.07
  other v1: 8118,1645 8118,1678 9160,1745 8447,3181 8484,3181
A3V3: A3V3.1 C6.2 C7.2 C13.1 C15.1 C23.2 FB1.2 FB3.1 R22.1 R23.1 R34.1 U1.5 U5.4 | length 3129.5
  Top Layer w6: C23.2@8609.57,3045 8609.57,3046.97 8615,3052.4 FB3.1@8615,3096.72 ; R34.1@9318,2685.27 9318,2661.09 9476.09,2503 v1(9493,2503) ; v1(9530,2801) 9528,2801 9514,2815 FB1.2@9490,2815 9499.5,2824.5 9509.5,2824.5 9510,2825 9522.74,2825 9526.25,2828.51 9526.25,2841.25 v1(9530,2845) ; R23.1@9639.22,2370 C13.1@9670.32,2370 ; R22.1@9639.22,2405 C15.1@9670.75,2405 ; v1(9657,2386.64) 9657,2389.28 9670.75,2403.03 C15.1@9670.75,2405 ; U5.4@9677.2,2486.3 9677.2,2459.59 9670.75,2453.14 C15.1@9670.75,2405
  Top Layer w15: A3V3.1@8250,2982 8256.17,2988.17 8272.17,2988.17 8380.72,3096.72 FB3.1@8615,3096.72
  Bottom Layer w6: v1(9530,2845) v1(9530,2801) 9497,2768 9497,2364.51 9525.51,2336 9571,2336 9618,2383 9653.36,2383 v1(9657,2386.64)
  Bottom Layer w15: v1(8292,2930) 8292,2928 8486,2734 8936,2734 9130,2928 9447,2928 v1(9530,2845)
  other v1: 8291,2901
CMOD_UART_RX: J1.8 JP1.2 U4.27 | length 3278.5
  Top Layer w6: v1(7945,1560) 7945,1560.82 7970,1585.82 7970,1600 7954.76,1615.24 J1.8@7954.76,1654.31
  Top Layer w10: U4.27@9105,2530 9521,2114 9717.58,2114 9767.16,2064.42 9767.16,1966.81 JP1.2@9785.79,1948.19 9785.79,1792.79 9603,1610 v1(9603,1518)
  Bottom Layer w6: v1(7945,1560) 7995.8,1509.2 9594.2,1509.2 v1(9603,1518)
CMOD_UART_TX: J1.7 JP1.1 U4.26 | length 3292
  Top Layer w6: J1.7@7974.45,1663.31 7974.45,1620.55 7990,1605 v1(7990,1575)
  Top Layer w10: U4.26@9205,2530 9213,2522 9213,2482 9543,2152 9798,2152 9884.21,2065.79 JP1.1@9884.21,1948.19 9884.21,1792.21 v1(9654,1562)
  Bottom Layer w6: v1(7990,1575) 8043.8,1521.2 9560.2,1521.2 9578.8,1539.8 9631.8,1539.8 v1(9654,1562)
D3V3: 3V3.1 C9.2 C11.2 C12.2 C33.2 C34.2 J1.4 J1.5 J2.4 J2.5 L1.2 R2.2 R9.2 R11.1 U6.3 U6.8 | length 7863.6
  Top Layer w6: C9.2@6730,2757.29 6702.71,2757.29 6690,2770 6690,2805.24 6728.03,2843.27 R9.2@6730,2843.27
  Top Layer w8: C9.2@6730,2757.29 6731.96,2757.29 6735.84,2753.41 6735.84,2703.16 6964,2475 7440.31,2475 7460,2494.69 v1(7460,2685) ; v1(7766,3051) 7779,3051 7798.46,3070.46 R2.2@7798.46,3100 7798.46,3121.46 7815,3138 v1(7815,3168) ; v1@8012,1710 v1(8012.91,1709.09) 8013.82,1708.18 J1.5@8013.82,1663.31 ; J1.4@8033.5,1663.31 8033.5,1565.5 v1(8036,1563) ; L1.2@8085.46,3145 8085.46,3132.5 8060.68,3107.71 8060.68,3098.68 8042,3080 7996,3080 7987,3089 7987,3333.31 7991.69,3338 8083,3338 8096.54,3351.54 R11.1@8096.54,3370
  Top Layer w10: U6.3@7365,3013.98 7365,3049.16 7355.43,3058.73 C34.2@7355.43,3100 7355.43,3101.96 7367.02,3113.55 7367.02,3127.02 v1@7370,3130 ; v1(7460,2685) C33.2@7460,2720 7460,2721.97 7465,2726.97 U6.8@7465,2805
  Bottom Layer w8: v1(7766,3051) 8121,3051 v1(8143,3029)
  Bottom Layer w10: v1(7460,2685) 7462.98,2687.98 7462.98,2696.64 7465,2698.65 7465,2795 7370,2890 v1(7370,3135) 7370,3139 7401,3170 7813,3170 v1(7815,3168)
  Bottom Layer w20: v1(8036,1563) 8036,1614 8012.91,1637.09 v1(8012.91,1709.09) 8048.82,1745 9064,1745 ; v1(8143,3029) 8143,2800 8286,2657 8960,2657 9187,2884 9329,2884 9381,2832 9381,1863.72 9334.28,1817 9136,1817 9064,1745 ; v1(9115,1745) 9064,1745
  other v1: 9085,1715 9115,1715 8176,3029 8143,3065 8176,3065
DIN_MIDI_IN: DIN.1 R9.1 S1.3 U3.5 | length 689.6
  Top Layer w6: R9.1@6730,2876.73 6781.73,2876.73 6930,3025 U3.5@6930,3082.4 6930,3220 DIN.1@6860,3290 6858.88,3291.12 6828.88,3291.12 6775,3345 6775,3358.05 6765.69,3367.36 S1.3@6765.55,3367.36
EEPROM_SCL: U4.47 U6.6 | length 389.6
  Top Layer w6: U4.47@7105,2530 7116.73,2530 7365,2778.27 U6.6@7365,2805
EEPROM_SDA: U4.48 U6.5 | length 442.4
  Top Layer w6: U4.48@7005,2530 7100,2625 7166.5,2625 7315,2773.5 U6.5@7315,2805
GND: C1.1 C2.1 C3.1 C4.1 C5.1 C6.1 C7.1 C8.1 C9.1 C10.1 C12.1 C13.2 C15.2 C23.1 C33.1 C34.1 CN1.4 FB2.2 FB4.1 GND.1 J1.0 J1.3 J1.6 J1.9 J1.10 J1.13 J1.14 J1.16 J1.21 J2.0 J2.3 J2.6 J2.30 JP1.3 R1.1 R3.2 R4.2 R12.2 R13.1 R14.1 R15.1 R16.1 R19.2 R27.2 R28.2 R29.2 R35.1 U1.2 U2.2 U3.4 U4.25 U5.5 U6.1 U6.2 U6.4 U6.7 USB1.1 USB1.2 USB1.3 USB1.4 USB1.A1 USB1.A12 USB1.B1 USB1.B12 | length 1160.1
  Top Layer w6: v1(7397,2721) 7423.57,2721 C33.1@7424.57,2720 7424.57,2721.97 7415,2731.54 U6.7@7415,2805 ; v1(7973,1712) 7980,1712 7994.1,1697.9 J1.6@7994.1,1663.34 ; J1.3@8053.19,1663.31 8053.19,1613.81 v1(8068,1599) ; C12.1@8145,3155.43 8145,3183 v1(8147,3185) ; v1(8168,3341) 8183.57,3325.43 C10.1@8200,3325.43 ; C8.1@8200,2835.43 C6.1@8200,2879.57 C7.1@8245,2879.57 ; FB4.1@8615,2995 8617.5,2995 8636,3013.5 8636,3021 8641.16,3026.16 8641.16,3041.16 C23.1@8645,3045 ; v1(9070,1622) 9071.18,1623.18 J2.6@9071.18,1665 ; v1(9117,1601) 9117,1602 9130.24,1615.24 J2.3@9130.24,1665 ; J2.0@9234.57,1566.69 9292.69,1566.69 v1(9306,1580) ; v1@9254,2684 9255.27,2685.27 R35.1@9282,2685.27 ; v1(9575,2310) 9578.75,2313.75 9585.72,2313.75 9605,2333.03 R19.2@9605,2335 ; v1(9678,2294) 9678,2299.3 9669.02,2308.28 R27.2@9669.02,2335 9669.02,2336.97 9686.05,2354 9700,2354 9700.88,2354.88 9700.88,2365.13 C13.2@9705.75,2370 ; C15.2@9706.18,2405 9705.97,2404.78 9705.97,2370.22 C13.2@9705.75,2370 ; v1(9732,2370) C13.2@9705.75,2370 ; R28.2@9885,2755 R29.2@9885,2805
  Top Layer w20: v1(8171,3566) 8212.8,3566 8216.89,3570.09 USB1.A12@8216.89,3584.37 ; USB1.A1@8480.67,3584.37 8480.67,3568.94 8484.76,3564.84 8500.2,3564.84 8505.04,3560 v1(8508,3560) ; v1@8526,3034 8526,3031.72 8537.72,3020 8587.5,3020 8612.5,2995 FB4.1@8615,2995
  other v1: 6889,1465 8331,1465 8568,1465 8781,1465 9782,1547 7320,1549 8331,1574 8674,1574 8810,1574 9533,1578 7194,1650 7800,1711 7914,1711 6667,1721 6956,1721 9661,1771 9971,1821 8835,1855 8927,1855 9980,1971 6800,1999 9522,2010 6988,2090 7201,2090 7420,2090 7601,2120 7800,2120 8131,2120 8387.25,2120 8643.5,2120 8899.75,2120 9156,2120 10038,2148 9855,2158 6988,2214 7201,2214 7420,2216 9587,2217 9751,2217 9954,2217 8243,2243 8518.5,2243 8774.75,2243 9031,2243 9262,2243 9855,2270 10038,2270 7666,2365 7800,2365 8131,2365 8387.25,2365 8643.5,2365 8899.75,2365 9156,2365 10038,2411 6808,2413 9542,2465 9703,2542 10038,2545 7344,2613 7550,2613 9120,2634 9444,2645 7732,2656 9426,2673 8155,2678 9250,2684 10038,2702 7193,2768 8320,2782 8238,2818 8267,2818 7942,2837 7971,2837 8238,2849 8267,2849 7942,2868 7971,2868 7034,2877 7193,2909 9943,2927 6928,2953 7565,2981 9928,3005 7728,3006 9164,3012 8562.61,3020 8526,3032.86 9908,3145 10038,3145 8558,3197 7019,3198 7563,3225 8947,3229 8558,3253 10038,3278 7398,3295 8558,3301 8386,3302 6971,3305 9244,3417 9635,3417 8696.38,3417.9 7399,3491 8696.38,3591 8947,3591 9092,3591 9244,3591 9498,3591 9633,3591 7400.48,3612.7 10036,3623 8056,3626 7598,3641 7700,3645 7188,3652 6663,3654 7062,3658 6878,3665 8303,3771 6880,3840 9821,3847
I2S_IN_MUTE: MUTE.1 R27.1 U4.35 U5.8 | length 2382.6
  Top Layer w6: U4.35@8305,2530 8392,2443 9007,2443 9057,2493 9057,2557 9098,2598 9303,2598 9364,2537 9364,2482 9577,2269 9690,2269 9713,2292 9713,2309 9702.48,2319.52 R27.1@9702.48,2335 9919,2335 9984,2400 9984,2475 9958,2501 9911.31,2501 MUTE.1@9909,2498.69
  Top Layer w12: U5.8@9779.57,2486.3 9779.57,2497.87 9780.39,2498.69 9845,2498.69 MUTE.1@9909,2498.69
  other v1: 9845,2500
I2S_IN_SCK: R20.1 SCL.1@9215,2775 U4.31 | length 738.1
  Top Layer w10: SCL.1@9215,2775 9220.89,2769.11 9253.62,2769.11 v1(9258.18,2764.56) 9262.74,2760 R20.1@9288.27,2760
  Bottom Layer w6: U4.31@8705,2530 8705,2544.14 8750.86,2590 9030,2590 9204.56,2764.56 v1(9258.18,2764.56)
I2S_IN_SDA: R25.1 SDA.1@9215,2905 U4.32 | length 896.3
  Top Layer w10: SDA.1@9215,2905 9260,2860 v1@9262.5,2857.5 ; v1(9260,2850.2) 9262.5,2852.7 v1@9262.5,2857.5 ; R25.1@9288.27,2855 9285.77,2857.5 v1@9262.5,2857.5
  Bottom Layer w6: U4.32@8605,2530 8695,2620 9010,2620 9246.25,2856.25 9256.25,2856.25 9256.25,2853.95 v1(9260,2850.2)
I2S_IN_WS: R24.1 U4.33 WS.1 | length 1025
  Top Layer w10: WS.1@9215,2840 9247.5,2807.5 R24.1@9288.27,2807.5
  Bottom Layer w6: U4.33@8505,2530 8565,2470 8610,2470 8655,2515 8655,2545 8713,2603 9017.85,2603 9224.85,2810 v1(9260,2810)
I2S_OUT_LRCK: LRCK.1 U4.30 U7.3 | length 810.6
  Top Layer w6: LRCK.1@8425,2875 8510,2875 8515.31,2880.31 U7.3@8597.09,2880.31 8669.69,2880.31 8691,2859 8691,2803.09 8728.09,2766 8850.06,2766 8891,2725.06 8891,2591 8841.2,2541.2 8816.2,2541.2 U4.30@8805,2530
I2S_OUT_MCK: MCK.1 U4.34 U7.4 | length 1187.4
  Top Layer w6: U4.34@8405,2530 8464,2471 8721,2471 8755,2505 8755,2561.49 8773.51,2580 8854,2580 8879,2605 8879,2720.09 8845.09,2754 8723.12,2754 8679,2798.12 8679,2850 8668.37,2860.63 U7.4@8597.09,2860.63 8525.63,2860.63 MCK.1@8495,2830
I2S_OUT_SCK: SCL.1@8495,2920 U4.29 U7.2 | length 720.9
  Top Layer w6: SCL.1@8495,2920 8501.13,2920 8521.13,2900 U7.2@8597.09,2900 8668.03,2900 8703,2865.03 8703,2808.06 8733.06,2778 8855.03,2778 8903,2730.03 8903,2532 U4.29@8905,2530
I2S_OUT_SDA: R34.2 R35.2 SDA.1@8425,2965 U4.28 U7.1 | length 1288.4
  Top Layer w6: SDA.1@8425,2965 8430,2970 8510,2970 8560.31,2919.69 U7.1@8597.09,2919.69 8665.31,2919.69 8715,2870 8715,2813.03 8738.03,2790 8860,2790 8915,2735 8915,2590 8963.52,2541.48 8993.52,2541.48 U4.28@9005,2530 ; v1(9250,2718) 9250.73,2718.73 R35.2@9282,2718.73 R34.2@9318,2718.73
  Bottom Layer w6: U4.28@9005,2530 9060,2585 9105.82,2585 9144.8,2623.97 9144.8,2648.8 9214,2718 v1(9250,2718)
IN__L: CN4.3 CN4.7 R32.2 | length 740.4
  Top Layer w12: R32.2@9125,3101.97 9125,3686.3 9149.53,3710.83 CN4.7@9156.73,3710.83 CN4.3@9156.73,3825
IN__R: CN4.5 CN4.6 R30.1 | length 507.9
  Top Layer w12: CN4.5@8873.27,3419.49 8965.51,3419.49 9052.4,3332.6 CN4.6@9052.4,3246.26 9055,3243.66 9055,3165.86 9049.14,3160 9005,3160 8970,3125 R30.1@8970,3101.97